# KiCad board magnum-drum-synth.kicad_pcb
title: Magnum Percussion Instrument; date: 2023-07-19; rev: r06; note: creativecommons.org/licenses/by/4.0/; note: License: CC BY 4.0; note: Author: Guy John
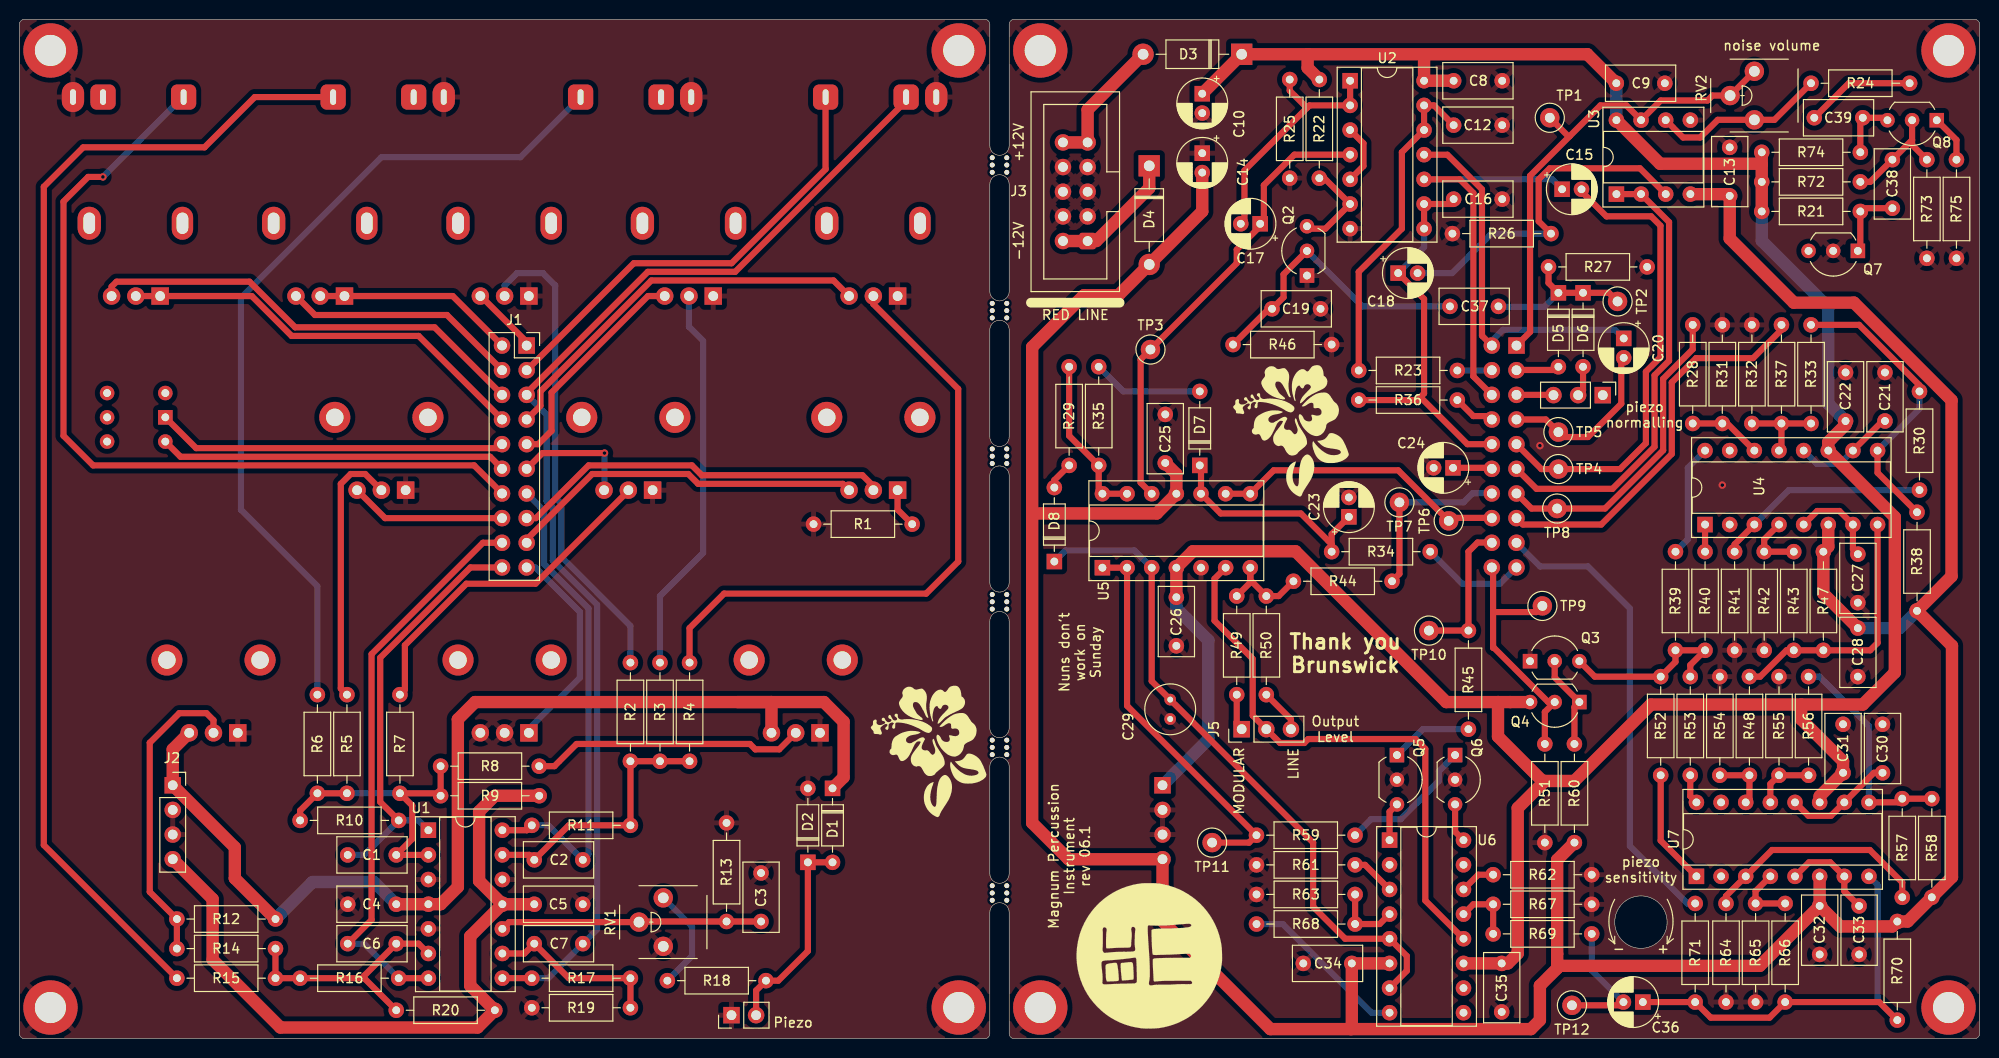
[diagram p0: board, top side]
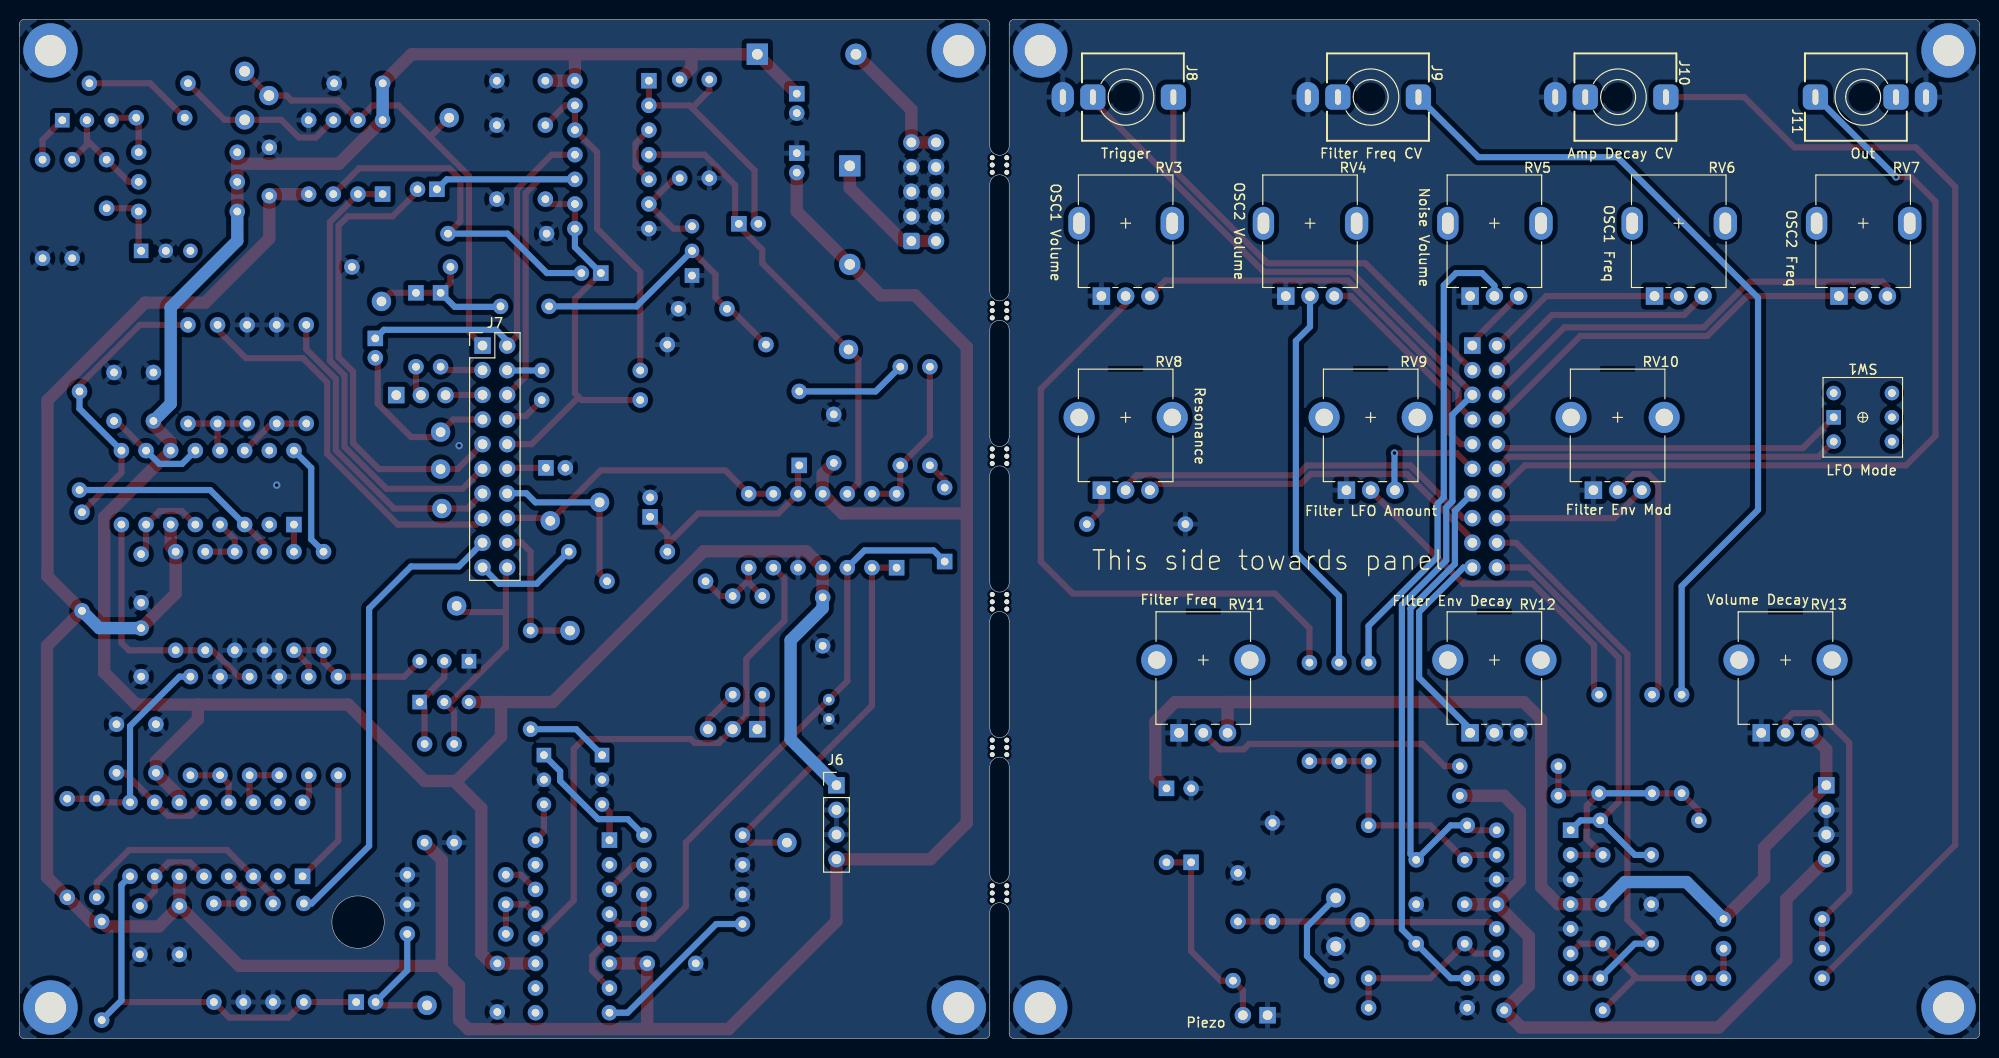
[diagram p1: board, bottom side, seen from below]

Outline 202 x 105 mm; copper layers: Top, Bottom. Coordinates in mm from the lower left corner of the outline.
Outline path: circle c167.1,12 r2.7 ; 100,92 100,104.5 arc(99.85,104.85) 99.5,105 0.5,105 arc(0.15,104.85) 0,104.5 0,0.5 arc(0.15,0.15) 0.5,0 99.5,0 arc(99.85,0.15) 100,0.5 100,13 ; 100,88 100,77 ; 100,73 100,62 ; 100,58 100,47 ; 100,43 100,32 ; 100,28 100,17 ; 102,92 102,104.5 arc(102.15,104.85) 102.5,105 201.5,105 arc(201.85,104.85) 202,104.5 202,0.5 arc(201.85,0.15) 201.5,0 102.5,0 arc(102.15,0.15) 102,0.5 102,13 ; 102,88 102,77 ; 102,73 102,62 ; 102,58 102,47 ; 102,43 102,32 ; 102,28 102,17
Stack: Top 0.035mm / dielectric 1.51mm FR4 er 4.5 / Bottom 0.035mm

## Placement (name value [footprint] x y rotation side)
C1  10nF  [C_Rect_L7.0mm_W3.5mm_P5.00mm]  38.83 18.92 180 top
C2  22pF  [C_Rect_L7.0mm_W3.5mm_P5.00mm]  53.06 18.41 0 top
C3  220nF  [C_Rect_L7.0mm_W3.5mm_P5.00mm]  76.43 17.06 270 top
C4  100nF  [C_Rect_L7.0mm_W3.5mm_P5.00mm]  38.83 13.84 180 top
C5  100nF  [C_Rect_L7.0mm_W3.5mm_P5.00mm]  58.06 13.84 180 top
C6  22pF  [C_Rect_L7.0mm_W3.5mm_P5.00mm]  38.83 9.78 180 top
C7  22pF  [C_Rect_L7.0mm_W3.5mm_P5.00mm]  53.06 9.78 0 top
C8  100nF  [C_Rect_L7.0mm_W3.5mm_P5.00mm]  147.8 98.68 0 top
C9  100nF  [C_Rect_L7.0mm_W3.5mm_P5.00mm]  164.56 98.42 0 top
C10  10uF  [CP_Radial_D5.0mm_P2.00mm]  121.89 97.35 270 top
C12  47nF  [C_Rect_L7.0mm_W3.5mm_P5.00mm]  152.8 94.11 180 top
C13  100nF  [C_Rect_L7.0mm_W3.5mm_P5.00mm]  176.25 91.82 270 top
C14  10uF  [CP_Radial_D5.0mm_P2.00mm]  121.89 91.22 270 top
C15  1uF  [CP_Radial_D5.0mm_P2.00mm]  158.98 87.5 0 top
C16  47nF  [C_Rect_L7.0mm_W3.5mm_P5.00mm]  147.8 86.49 0 top
C17  1uF  [CP_Radial_D5.0mm_P2.00mm]  127.86 83.95 180 top
C18  1uF  [CP_Radial_D5.0mm_P2.00mm]  142.09 78.87 0 top
C19  10nF  [C_Rect_L7.0mm_W3.5mm_P5.00mm]  134.08 75.18 180 top
C20  1uF  [CP_Radial_D5.0mm_P2.00mm]  165.33 72.13 270 top
C21  100pF  [C_Rect_L7.0mm_W3.5mm_P5.00mm]  192.25 68.63 270 top
C22  100nF  [C_Rect_L7.0mm_W3.5mm_P5.00mm]  188.19 63.63 90 top
C23  10uF  [CP_Radial_D5.0mm_P2.00mm]  137 53.75 90 top
C24  1uF  [CP_Radial_D5.0mm_P2.00mm]  147.74 58.8 180 top
C25  100nF  [C_Rect_L7.0mm_W3.5mm_P5.00mm]  118.08 64.31 270 top
C26  100nF  [C_Rect_L7.0mm_W3.5mm_P5.00mm]  119.22 45.47 270 top
C27  100pF  [C_Rect_L7.0mm_W3.5mm_P5.00mm]  189.46 44.91 90 top
C28  100nF  [C_Rect_L7.0mm_W3.5mm_P5.00mm]  189.46 37.29 90 top
C29  1uF  [C_Radial_D5.0mm_H5.0mm_P2.00mm]  118.59 34.92 270 top
C30  100pF  [C_Rect_L7.0mm_W3.5mm_P5.00mm]  192 32.38 270 top
C31  100nF  [C_Rect_L7.0mm_W3.5mm_P5.00mm]  187.93 27.38 90 top
C32  100nF  [C_Rect_L7.0mm_W3.5mm_P5.00mm]  185.52 8.67 90 top
C33  100pF  [C_Rect_L7.0mm_W3.5mm_P5.00mm]  189.58 8.67 90 top
C34  100nF  [C_Rect_L7.0mm_W3.5mm_P5.00mm]  132.31 7.75 0 top
C35  100nF  [C_Rect_L7.0mm_W3.5mm_P5.00mm]  152.75 7.75 270 top
C36  10uF  [CP_Radial_D5.0mm_P2.00mm]  167.3 3.76 180 top
C37  100nF  [C_Rect_L7.0mm_W3.5mm_P5.00mm]  147.42 75.44 0 top
C38  100nF  [C_Rect_L7.0mm_W3.5mm_P5.00mm]  193.01 85.55 90 top
C39  100nF  [C_Rect_L7.0mm_W3.5mm_P5.00mm]  189.96 94.87 180 top
D1  1N4148  [D_DO-35_SOD27_P7.62mm_Horizontal]  83.79 25.78 270 top
D2  1N4148  [D_DO-35_SOD27_P7.62mm_Horizontal]  81.25 18.16 90 top
D3  1N5818  [D_DO-41_SOD81_P10.16mm_Horizontal]  125.96 101.41 180 top
D4  1N5818  [D_DO-41_SOD81_P10.16mm_Horizontal]  116.43 89.91 270 top
D5  1N4148  [D_DO-35_SOD27_P7.62mm_Horizontal]  158.59 76.83 270 top
D6  1N4148  [D_DO-35_SOD27_P7.62mm_Horizontal]  161.13 76.83 270 top
D7  1N4148  [D_DO-35_SOD27_P7.62mm_Horizontal]  121.64 59.05 90 top
D8  1N4148  [D_DO-35_SOD27_P7.62mm_Horizontal]  106.65 49.15 90 top
H1  MountingHole_Pad  [MountingHole_3.2mm_M3_DIN965_Pad]  96.8 101.8 0 top
H2  MountingHole_Pad  [MountingHole_3.2mm_M3_DIN965_Pad]  3.2 3.2 0 top
H3  MouseBite  [mouse-bite-2mm-slot]  101 90 90 top
H4  MouseBite  [mouse-bite-2mm-slot]  101 75 90 top
H5  MouseBite  [mouse-bite-2mm-slot]  101 60 90 top
H6  MouseBite  [mouse-bite-2mm-slot]  101 45 90 top
H7  MouseBite  [mouse-bite-2mm-slot]  101 30 90 top
H8  MouseBite  [mouse-bite-2mm-slot]  101 15 90 top
H9  MountingHole_Pad  [MountingHole_3.2mm_M3_DIN965_Pad]  198.8 101.8 0 top
H10  MountingHole_Pad  [MountingHole_3.2mm_M3_DIN965_Pad]  105.2 3.2 0 top
H13  MountingHole_Pad  [MountingHole_3.2mm_M3_DIN965_Pad]  105.2 101.8 0 top
H14  MountingHole_Pad  [MountingHole_3.2mm_M3_DIN965_Pad]  3.2 101.8 0 top
H15  MountingHole_Pad  [MountingHole_3.2mm_M3_DIN965_Pad]  96.8 3.2 0 top
H16  MountingHole_Pad  [MountingHole_3.2mm_M3_DIN965_Pad]  198.8 3.2 0 top
J1  Conn_02x10_Odd_Even  [PinSocket_2x10_P2.54mm_Vertical]  52.28 71.4 0 top
J2  Conn_01x04_Socket  [PinSocket_1x04_P2.54mm_Vertical]  15.8 26.1 0 top
J3  Eurorack Power Small  [Eurorack_PowerHeader_2x05_P2.54mm_Shrouded]  110.08 82.17 180 top
J4  Conn_01x03_Header  [PinHeader_1x03_P2.54mm_Vertical]  163.17 66.29 270 top
J5  Conn_01x03_Header  [PinHeader_1x03_P2.54mm_Vertical]  125.96 31.88 90 top
J6  Conn_01x04_Header  [PinHeader_1x04_P2.54mm_Vertical]  117.8 26.1 180 bottom
J7  Conn_02x10_Odd_Even  [PinHeader_2x10_P2.54mm_Vertical]  154.28 71.4 180 bottom
J8  Eurorack Mono Jack  [Jack_3.5mm_QingPu_WQP-PJ398SM_Vertical]  88 97 270 bottom
J9  Eurorack Mono Jack  [Jack_3.5mm_QingPu_WQP-PJ398SM_Vertical]  62.75 97 270 bottom
J10  Eurorack Mono Jack  [Jack_3.5mm_QingPu_WQP-PJ398SM_Vertical]  37.25 97 270 bottom
J11  Eurorack Mono Jack  [Jack_3.5mm_QingPu_WQP-PJ398SM_Vertical]  12 97 90 bottom
MK1  Piezo  [PinHeader_1x02_P2.54mm_Vertical]  73.38 2.41 90 top
Q2  2N3904  [TO-92_Inline_Wide]  132.69 78.61 90 top
Q3  2N3906  [TO-92_Inline_Wide]  155.67 38.88 0 top
Q4  2N3904  [TO-92_Inline_Wide]  160.75 34.67 180 top
Q5  2N3906  [TO-92_Inline_Wide]  141.96 29.21 270 top
Q6  2N3906  [TO-92_Inline_Wide]  147.95 29.21 270 top
Q7  2N3904  [TO-92_Inline_Wide]  189.46 81.15 180 top
Q8  2N3904  [TO-92_Inline_Wide]  197.58 94.61 180 top
R1  47k  [R_Axial_DIN0207_L6.3mm_D2.5mm_P10.16mm_Horizontal]  92 53 180 top
R2  100k  [R_Axial_DIN0207_L6.3mm_D2.5mm_P10.16mm_Horizontal]  62.96 38.73 270 top
R3  100k  [R_Axial_DIN0207_L6.3mm_D2.5mm_P10.16mm_Horizontal]  66.01 38.73 270 top
R4  100k  [R_Axial_DIN0207_L6.3mm_D2.5mm_P10.16mm_Horizontal]  69.06 38.73 270 top
R5  47k  [R_Axial_DIN0207_L6.3mm_D2.5mm_P10.16mm_Horizontal]  33.75 35.43 270 top
R6  100k  [R_Axial_DIN0207_L6.3mm_D2.5mm_P10.16mm_Horizontal]  30.71 35.43 270 top
R7  100k  [R_Axial_DIN0207_L6.3mm_D2.5mm_P10.16mm_Horizontal]  39.22 35.43 270 top
R8  100k  [R_Axial_DIN0207_L6.3mm_D2.5mm_P10.16mm_Horizontal]  53.57 28.07 180 top
R9  220k  [R_Axial_DIN0207_L6.3mm_D2.5mm_P10.16mm_Horizontal]  53.57 25.02 180 top
R10  2k  [R_Axial_DIN0207_L6.3mm_D2.5mm_P10.16mm_Horizontal]  28.93 22.48 0 top
R11  100k  [R_Axial_DIN0207_L6.3mm_D2.5mm_P10.16mm_Horizontal]  62.96 21.97 180 top
R12  22k  [R_Axial_DIN0207_L6.3mm_D2.5mm_P10.16mm_Horizontal]  16.23 12.32 0 top
R13  1m  [R_Axial_DIN0207_L6.3mm_D2.5mm_P10.16mm_Horizontal]  72.87 12.06 90 top
R14  120k  [R_Axial_DIN0207_L6.3mm_D2.5mm_P10.16mm_Horizontal]  26.39 9.27 180 top
R15  100k  [R_Axial_DIN0207_L6.3mm_D2.5mm_P10.16mm_Horizontal]  16.23 6.22 0 top
R16  27k  [R_Axial_DIN0207_L6.3mm_D2.5mm_P10.16mm_Horizontal]  28.93 6.22 0 top
R17  33k  [R_Axial_DIN0207_L6.3mm_D2.5mm_P10.16mm_Horizontal]  52.8 6.22 0 top
R18  1k  [R_Axial_DIN0207_L6.3mm_D2.5mm_P10.16mm_Horizontal]  76.93 5.97 180 top
R19  10k  [R_Axial_DIN0207_L6.3mm_D2.5mm_P10.16mm_Horizontal]  52.8 3.17 0 top
R20  100k  [R_Axial_DIN0207_L6.3mm_D2.5mm_P10.16mm_Horizontal]  48.99 2.92 180 top
R21  100k  [R_Axial_DIN0207_L6.3mm_D2.5mm_P10.16mm_Horizontal]  179.55 85.22 0 top
R22  10k  [R_Axial_DIN0207_L6.3mm_D2.5mm_P10.16mm_Horizontal]  133.96 98.81 270 top
R23  22k  [R_Axial_DIN0207_L6.3mm_D2.5mm_P10.16mm_Horizontal]  138.02 68.83 0 top
R24  10k  [R_Axial_DIN0207_L6.3mm_D2.5mm_P10.16mm_Horizontal]  194.79 98.42 180 top
R25  10k  [R_Axial_DIN0207_L6.3mm_D2.5mm_P10.16mm_Horizontal]  130.91 98.81 270 top
R26  220k  [R_Axial_DIN0207_L6.3mm_D2.5mm_P10.16mm_Horizontal]  147.67 82.93 0 top
R27  100k  [R_Axial_DIN0207_L6.3mm_D2.5mm_P10.16mm_Horizontal]  167.74 79.5 180 top
R28  100k  [R_Axial_DIN0207_L6.3mm_D2.5mm_P10.16mm_Horizontal]  172.44 73.53 270 top
R29  100r  [R_Axial_DIN0207_L6.3mm_D2.5mm_P10.16mm_Horizontal]  108.18 69.21 270 top
R30  100k  [R_Axial_DIN0207_L6.3mm_D2.5mm_P10.16mm_Horizontal]  195.81 66.67 270 top
R31  220r  [R_Axial_DIN0207_L6.3mm_D2.5mm_P10.16mm_Horizontal]  175.49 63.37 90 top
R32  220r  [R_Axial_DIN0207_L6.3mm_D2.5mm_P10.16mm_Horizontal]  178.53 63.37 90 top
R33  100k  [R_Axial_DIN0207_L6.3mm_D2.5mm_P10.16mm_Horizontal]  184.63 63.37 90 top
R34  1k  [R_Axial_DIN0207_L6.3mm_D2.5mm_P10.16mm_Horizontal]  135.23 50.16 0 top
R35  47r  [R_Axial_DIN0207_L6.3mm_D2.5mm_P10.16mm_Horizontal]  111.22 59.05 90 top
R36  22k  [R_Axial_DIN0207_L6.3mm_D2.5mm_P10.16mm_Horizontal]  138.02 65.78 0 top
R37  6k8  [R_Axial_DIN0207_L6.3mm_D2.5mm_P10.16mm_Horizontal]  181.58 73.53 270 top
R38  10k  [R_Axial_DIN0207_L6.3mm_D2.5mm_P10.16mm_Horizontal]  195.55 54.23 270 top
R39  22k  [R_Axial_DIN0207_L6.3mm_D2.5mm_P10.16mm_Horizontal]  170.66 50.16 270 top
R40  22k  [R_Axial_DIN0207_L6.3mm_D2.5mm_P10.16mm_Horizontal]  173.71 50.16 270 top
R41  220r  [R_Axial_DIN0207_L6.3mm_D2.5mm_P10.16mm_Horizontal]  176.76 50.16 270 top
R42  220r  [R_Axial_DIN0207_L6.3mm_D2.5mm_P10.16mm_Horizontal]  179.8 50.16 270 top
R43  100k  [R_Axial_DIN0207_L6.3mm_D2.5mm_P10.16mm_Horizontal]  182.85 50.16 270 top
R44  470r  [R_Axial_DIN0207_L6.3mm_D2.5mm_P10.16mm_Horizontal]  131.29 47.12 0 top
R45  4k7  [R_Axial_DIN0207_L6.3mm_D2.5mm_P10.16mm_Horizontal]  149.32 42.04 270 top
R46  10k  [R_Axial_DIN0207_L6.3mm_D2.5mm_P10.16mm_Horizontal]  125.07 71.5 0 top
R47  10k  [R_Axial_DIN0207_L6.3mm_D2.5mm_P10.16mm_Horizontal]  185.9 40 90 top
R48  100k  [R_Axial_DIN0207_L6.3mm_D2.5mm_P10.16mm_Horizontal]  178.28 37.29 270 top
R49  56k  [R_Axial_DIN0207_L6.3mm_D2.5mm_P10.16mm_Horizontal]  125.45 35.43 90 top
R50  12k  [R_Axial_DIN0207_L6.3mm_D2.5mm_P10.16mm_Horizontal]  128.5 35.43 90 top
R51  1k  [R_Axial_DIN0207_L6.3mm_D2.5mm_P10.16mm_Horizontal]  157.2 30.35 270 top
R52  22k  [R_Axial_DIN0207_L6.3mm_D2.5mm_P10.16mm_Horizontal]  169.14 27.13 90 top
R53  22k  [R_Axial_DIN0207_L6.3mm_D2.5mm_P10.16mm_Horizontal]  172.18 27.13 90 top
R54  220r  [R_Axial_DIN0207_L6.3mm_D2.5mm_P10.16mm_Horizontal]  175.23 27.13 90 top
R55  220r  [R_Axial_DIN0207_L6.3mm_D2.5mm_P10.16mm_Horizontal]  181.33 27.13 90 top
R56  100k  [R_Axial_DIN0207_L6.3mm_D2.5mm_P10.16mm_Horizontal]  184.38 27.13 90 top
R57  100k  [R_Axial_DIN0207_L6.3mm_D2.5mm_P10.16mm_Horizontal]  194.03 24.72 270 top
R58  10k  [R_Axial_DIN0207_L6.3mm_D2.5mm_P10.16mm_Horizontal]  197.08 24.72 270 top
R59  18k  [R_Axial_DIN0207_L6.3mm_D2.5mm_P10.16mm_Horizontal]  127.48 20.95 0 top
R60  100k  [R_Axial_DIN0207_L6.3mm_D2.5mm_P10.16mm_Horizontal]  160.25 20.19 90 top
R61  470r  [R_Axial_DIN0207_L6.3mm_D2.5mm_P10.16mm_Horizontal]  127.49 17.9 0 top
R62  220r  [R_Axial_DIN0207_L6.3mm_D2.5mm_P10.16mm_Horizontal]  151.87 16.88 0 top
R63  470r  [R_Axial_DIN0207_L6.3mm_D2.5mm_P10.16mm_Horizontal]  127.49 14.85 0 top
R64  220r  [R_Axial_DIN0207_L6.3mm_D2.5mm_P10.16mm_Horizontal]  175.87 13.92 270 top
R65  220r  [R_Axial_DIN0207_L6.3mm_D2.5mm_P10.16mm_Horizontal]  178.91 13.92 270 top
R66  100k  [R_Axial_DIN0207_L6.3mm_D2.5mm_P10.16mm_Horizontal]  181.96 13.92 270 top
R67  220r  [R_Axial_DIN0207_L6.3mm_D2.5mm_P10.16mm_Horizontal]  151.87 13.83 0 top
R68  33k  [R_Axial_DIN0207_L6.3mm_D2.5mm_P10.16mm_Horizontal]  137.65 11.8 180 top
R69  100k  [R_Axial_DIN0207_L6.3mm_D2.5mm_P10.16mm_Horizontal]  162.03 10.79 180 top
R70  10k  [R_Axial_DIN0207_L6.3mm_D2.5mm_P10.16mm_Horizontal]  193.52 1.9 90 top
R71  10k  [R_Axial_DIN0207_L6.3mm_D2.5mm_P10.16mm_Horizontal]  172.69 3.76 90 top
R72  560k  [R_Axial_DIN0207_L6.3mm_D2.5mm_P10.16mm_Horizontal]  189.71 88.26 180 top
R73  100k  [R_Axial_DIN0207_L6.3mm_D2.5mm_P10.16mm_Horizontal]  196.57 80.39 90 top
R74  10k  [R_Axial_DIN0207_L6.3mm_D2.5mm_P10.16mm_Horizontal]  189.71 91.31 180 top
R75  22r  [R_Axial_DIN0207_L6.3mm_D2.5mm_P10.16mm_Horizontal]  199.62 80.39 90 top
Ref**1  Val**  [BCM_Logo_small_15mmx15mm]  116.4 8.5 90 top
REF**1  -  [hibiscus]  93.7 29.59 0 top
REF**2  -  [hibiscus]  131.04 62.61 0 top
RV1  100k  [Potentiometer_THT_Bourns_3306P_Vertical]  65.1 12 90 top
RV2  1m  [Potentiometer_THT_Bourns_3306P_Vertical]  177.54 97.15 90 top
RV3  100kA  [Potentiometer_Song_Huei_R0904N_Single_Vertical]  88 84 180 bottom
RV4  100kA  [Potentiometer_Song_Huei_R0904N_Single_Vertical]  69 84 180 bottom
RV5  100kA  [Potentiometer_Song_Huei_R0904N_Single_Vertical]  50 84 180 bottom
RV6  1mA  [Potentiometer_Song_Huei_R0904N_Single_Vertical]  31 84 180 bottom
RV7  1mA  [Potentiometer_Song_Huei_R0904N_Single_Vertical]  12 84 180 bottom
RV8  50kB  [Potentiometer_Alpha_RD901F-40-00D_Single_Vertical_CircularHoles]  88 64 180 bottom
RV9  100kB  [Potentiometer_Alpha_RD901F-40-00D_Single_Vertical_CircularHoles]  62.75 64 180 bottom
RV10  100kB  [Potentiometer_Alpha_RD901F-40-00D_Single_Vertical_CircularHoles]  37.3 64 180 bottom
RV11  100kB  [Potentiometer_Alpha_RD901F-40-00D_Single_Vertical_CircularHoles]  80 39 180 bottom
RV12  100kB  [Potentiometer_Alpha_RD901F-40-00D_Single_Vertical_CircularHoles]  50 39 180 bottom
RV13  100kB  [Potentiometer_Alpha_RD901F-40-00D_Single_Vertical_CircularHoles]  20 39 180 bottom
SW1  DPDT  [SW_PUSH_2P2T_8mm_Apem_MHPS2285]  12.04 64.01 180 bottom
TP1  Noise TestPoint  [TestPoint_Loop_D2.50mm_Drill1.0mm_LowProfile]  157.71 94.87 0 top
TP2  Trigger TestPoint  [TestPoint_Loop_D2.50mm_Drill1.0mm_LowProfile]  164.69 75.94 90 top
TP3  Schmitt Trigger TestPoint  [TestPoint_Loop_D2.50mm_Drill1.0mm_LowProfile]  116.56 70.99 180 top
TP4  OSC2 TestPoint  [TestPoint_Loop_D2.50mm_Drill1.0mm_LowProfile]  158.59 58.67 0 top
TP5  OSC1 TestPoint  [TestPoint_Loop_D2.50mm_Drill1.0mm_LowProfile]  158.59 62.48 0 top
TP6  Filter Envelope TestPoint  [TestPoint_Loop_D2.50mm_Drill1.0mm_LowProfile]  147.29 53.34 270 top
TP7  Final Output TestPoint  [TestPoint_Loop_D2.50mm_Drill1.0mm_LowProfile]  142.21 55.24 0 top
TP8  Mixer TestPoint  [TestPoint_Loop_D2.50mm_Drill1.0mm_LowProfile]  158.47 54.61 0 top
TP9  Filter CV Mixer TestPoint  [TestPoint_Loop_D2.50mm_Drill1.0mm_LowProfile]  156.94 44.58 0 top
TP10  Schmitt Trigger TestPoint  [TestPoint_Loop_D2.50mm_Drill1.0mm_LowProfile]  145.26 42.04 0 top
TP11  VCA Envelope TestPoint  [TestPoint_Loop_D2.50mm_Drill1.0mm_LowProfile]  122.91 20.19 0 top
TP12  Filter Output TestPoint  [TestPoint_Loop_D2.50mm_Drill1.0mm_LowProfile]  159.99 3.43 0 top
U1  TL074  [DIP-14_W7.62mm_Socket]  42.15 21.47 0 top
U2  CD4093  [DIP-14_W7.62mm_Socket]  137.13 98.68 0 top
U3  TL072  [DIP-8_W7.62mm_Socket]  164.57 87 90 top
U4  LM13700  [DIP-16_W7.62mm_Socket]  173.71 52.96 90 top
U5  TL074  [DIP-14_W7.62mm_Socket]  111.6 48.51 90 top
U6  LM13700  [DIP-16_W7.62mm_Socket]  141.2 20.45 0 top
U7  LM13700  [DIP-16_W7.62mm_Socket]  172.82 16.72 90 top
